# Altium PCB ControllerPCB.PcbDoc (part 1 of 2)
Units mm, origin at the board's own origin, x right, y up, seen from the top; angles counter-clockwise.
Board outline 79.22 x 88.77 mm, 2 copper layers (Top Layer, Bottom Layer); 122 components, 63 nets, 353 pads, 109 vias.
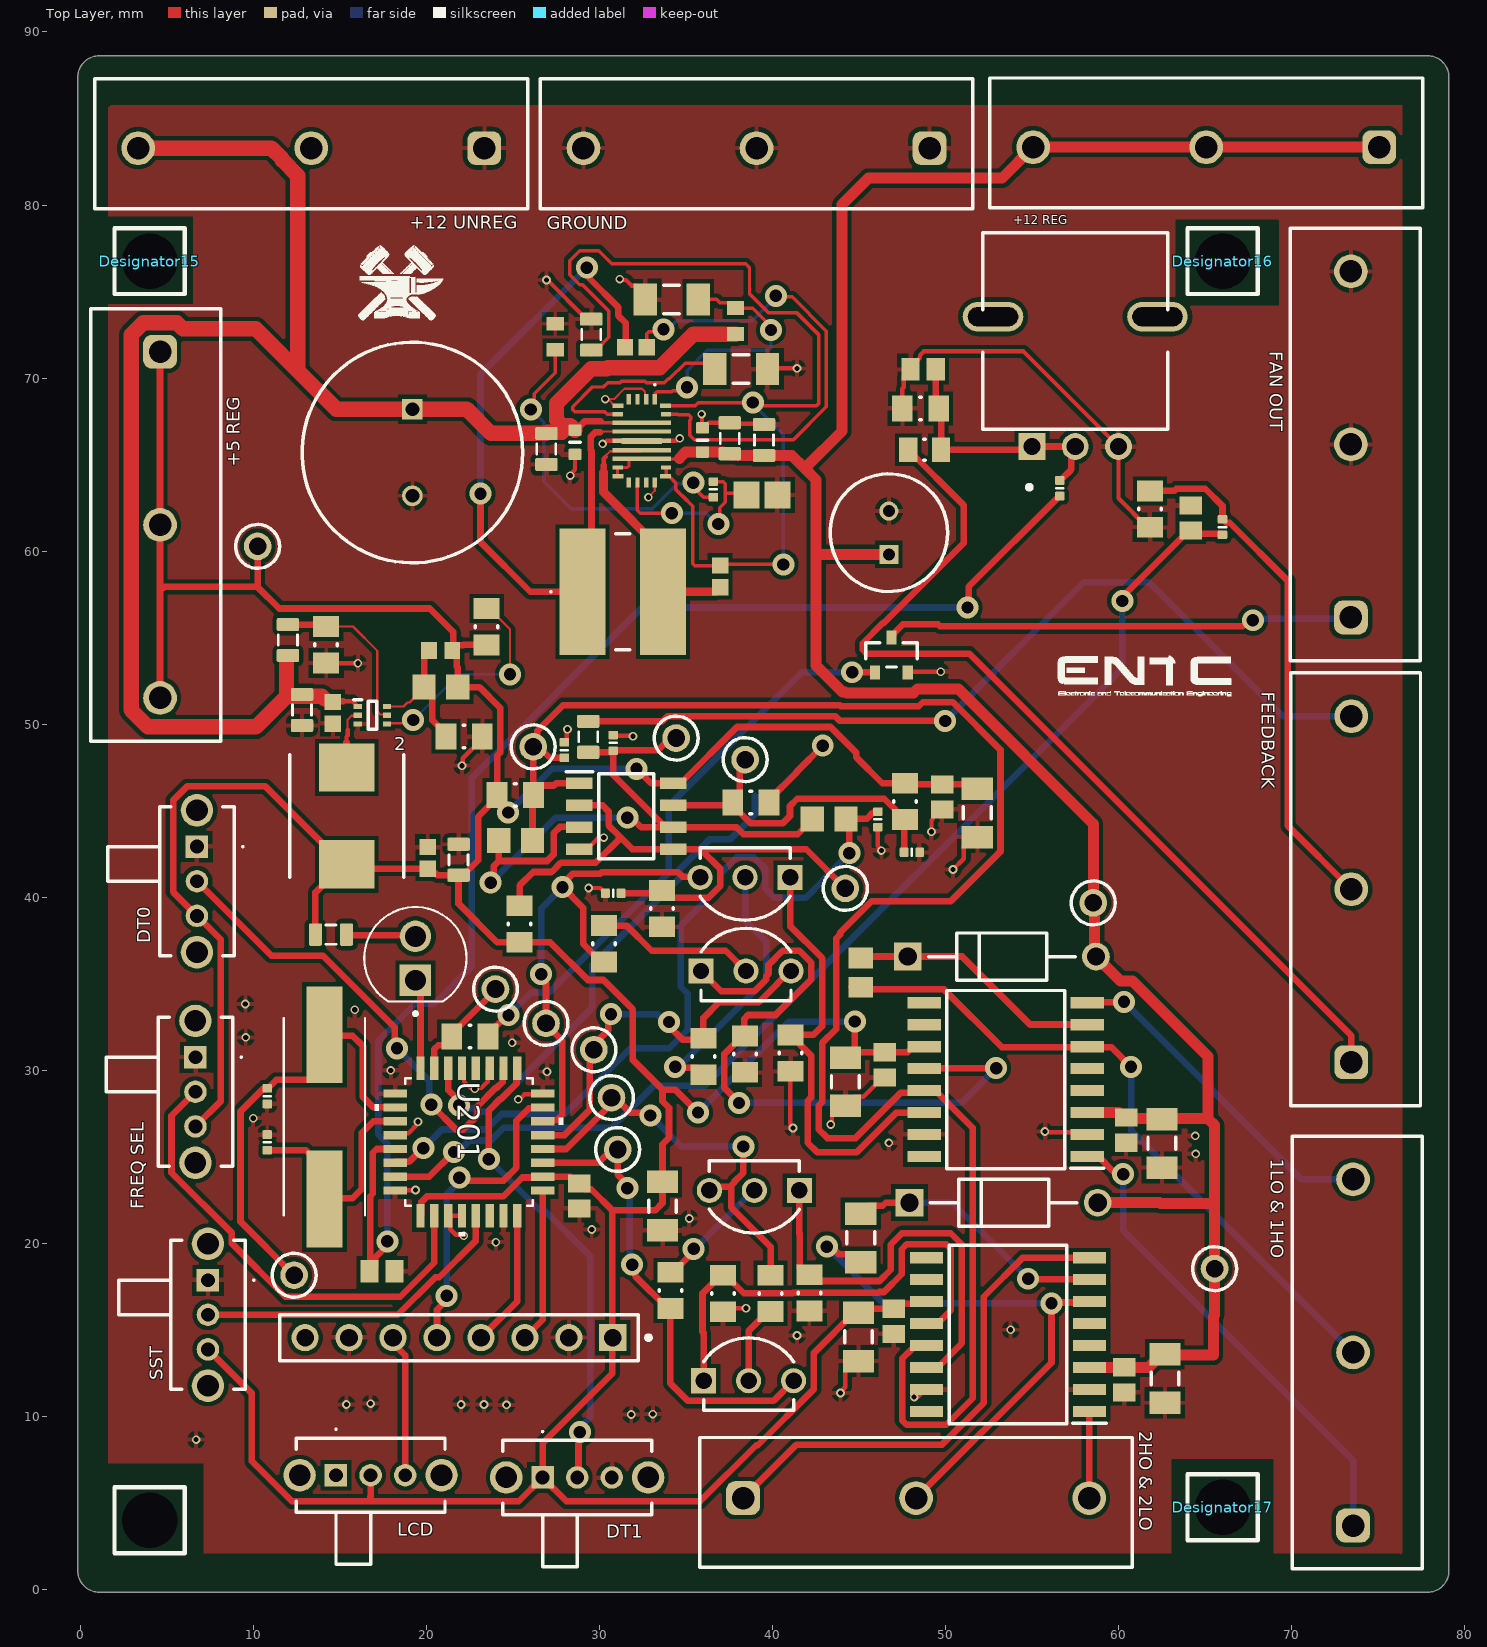
[diagram p0: Top Layer view]
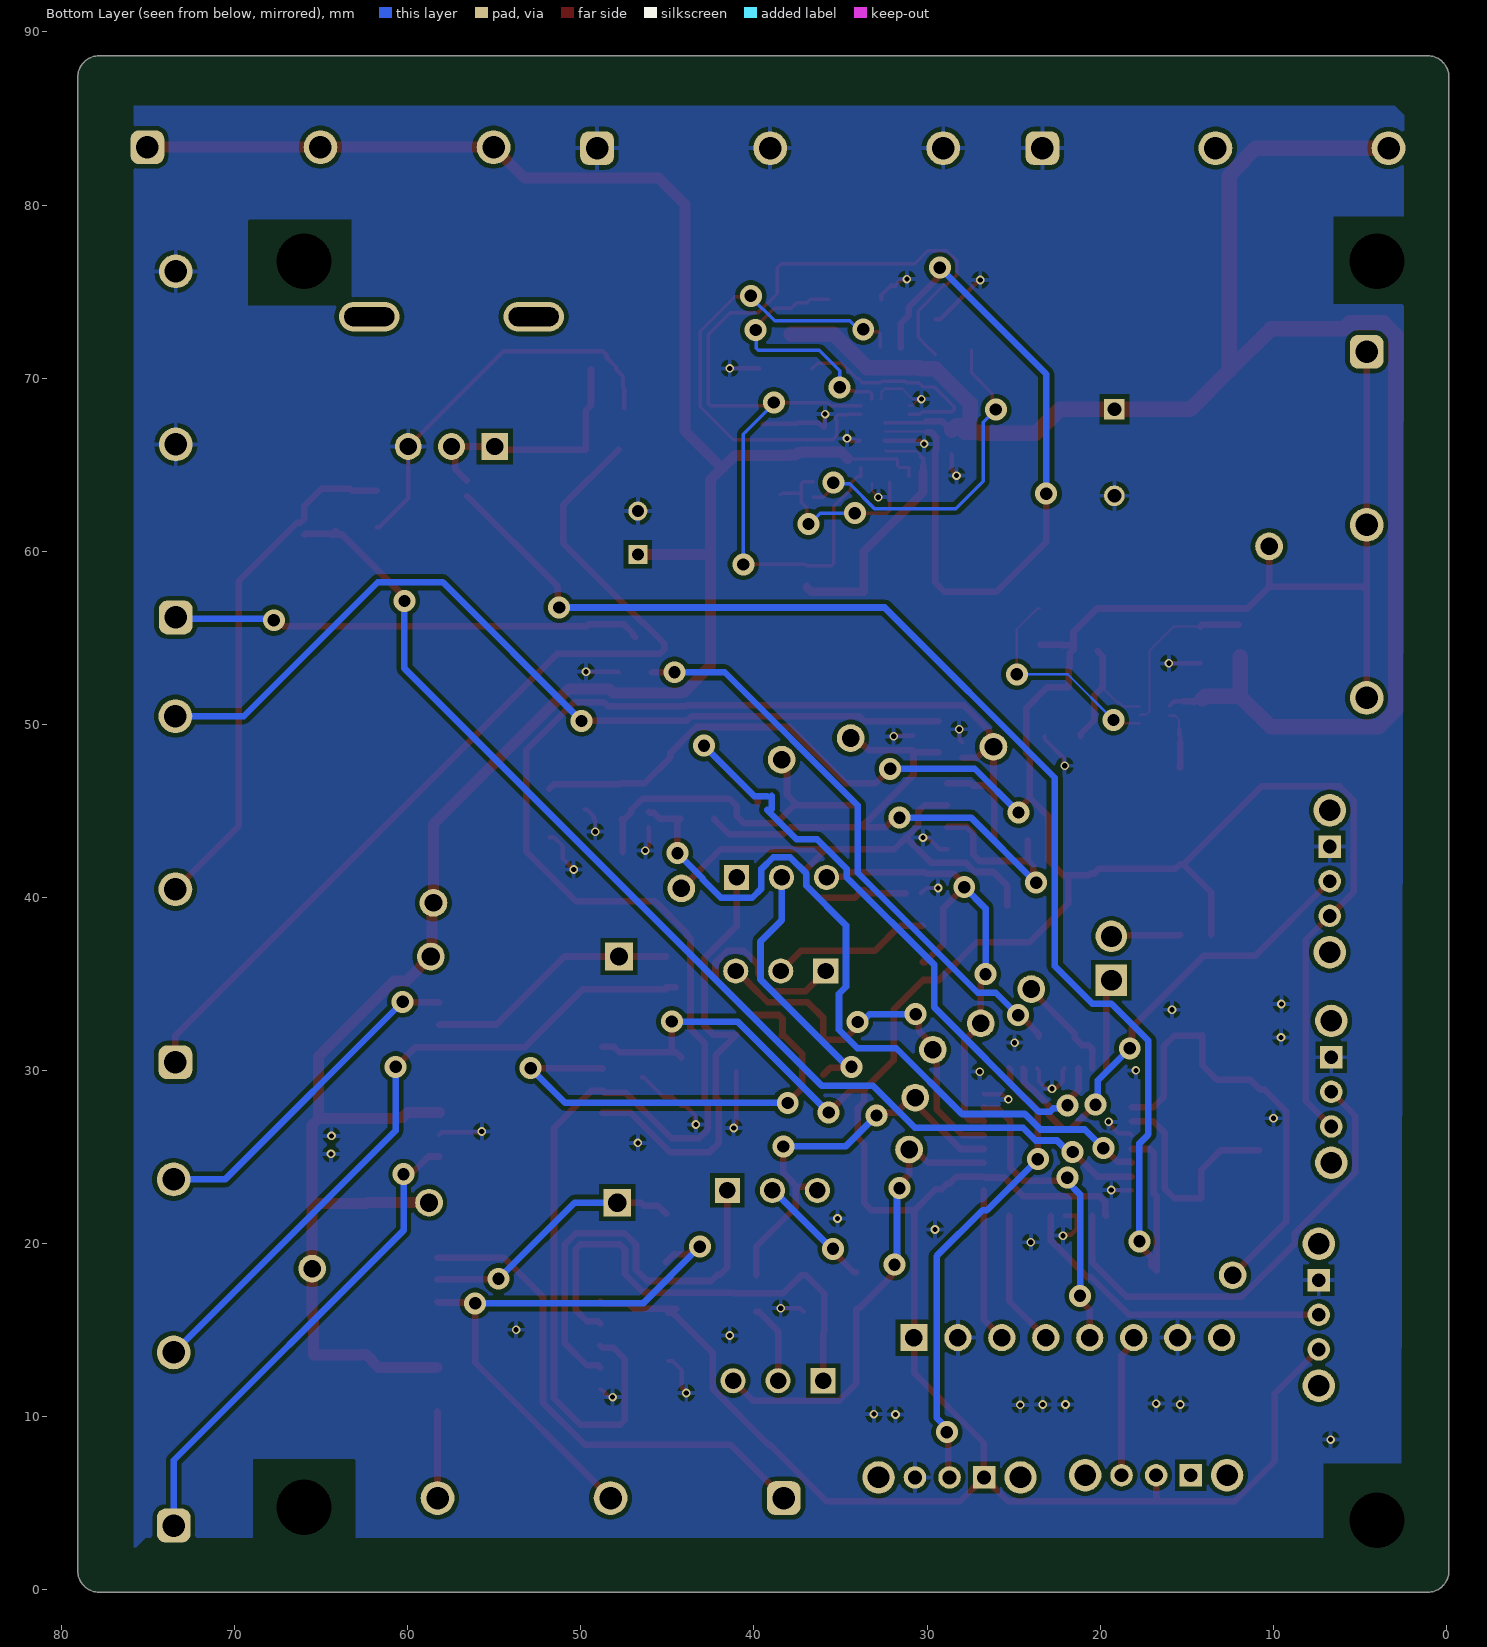
[diagram p1: Bottom Layer view, seen from below]
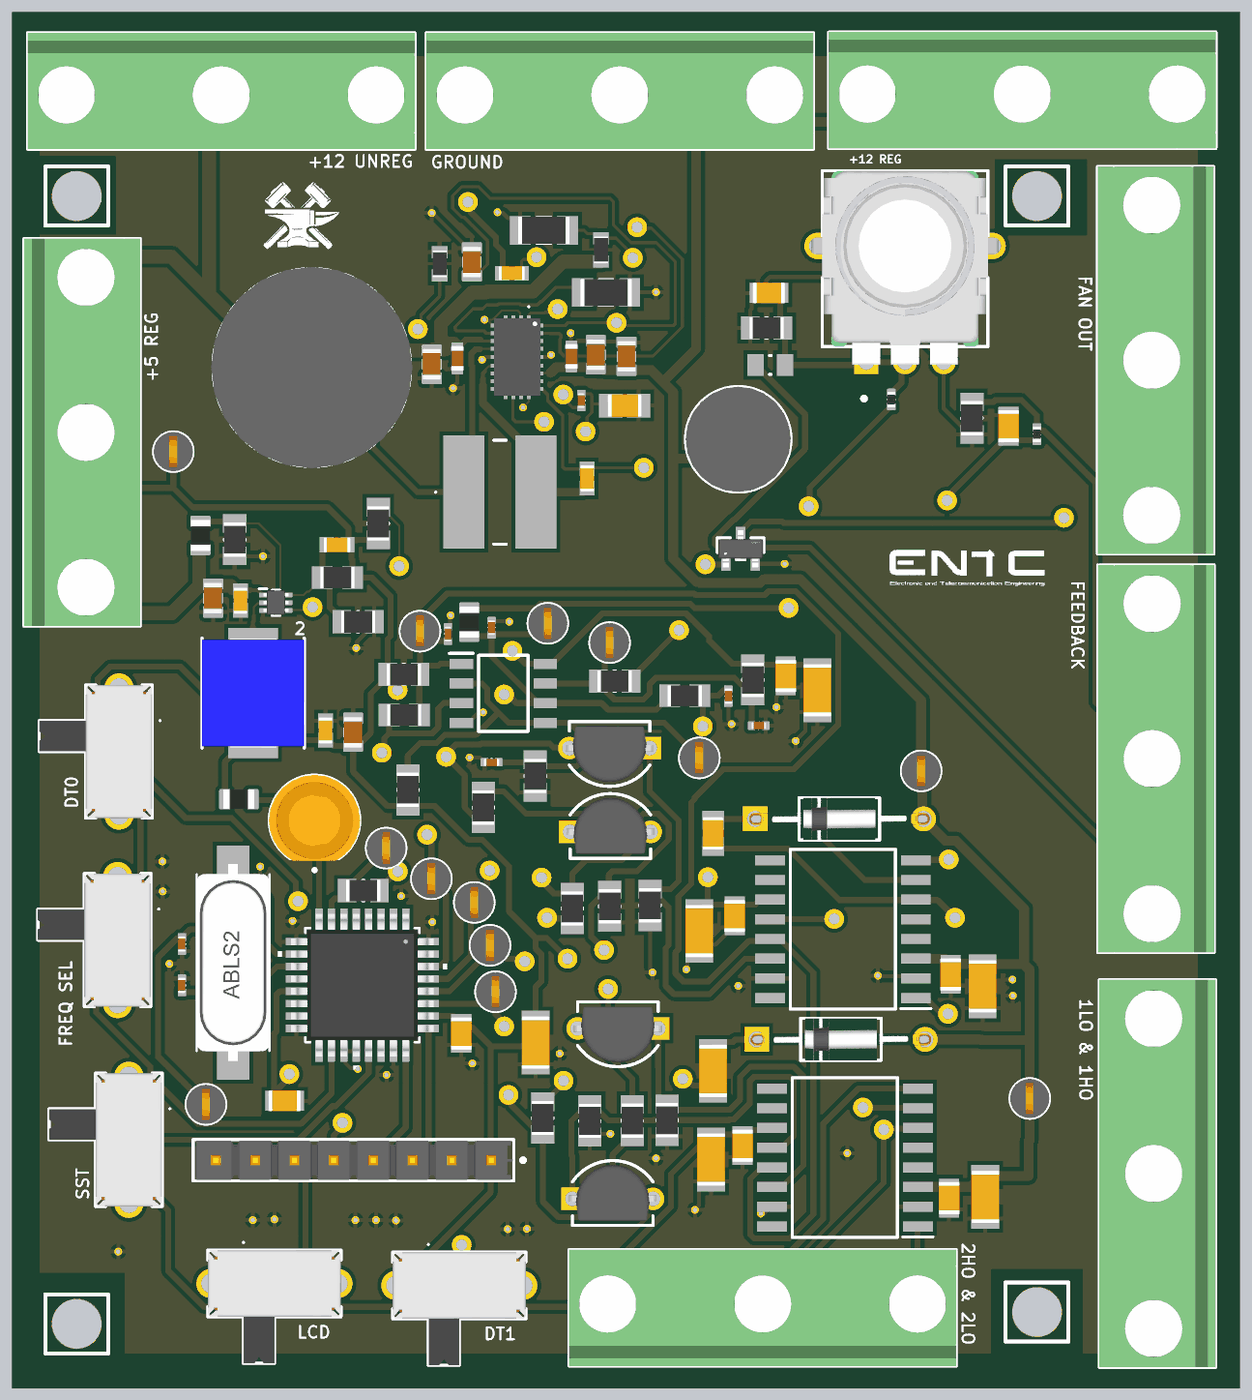
[diagram p3: 3D render of the assembled board from above, using the file's embedded part models]

## Layer stack, top to bottom
Top Solder: solder mask 0.0102, Solder Resist, Dk 3.5
Top Layer: signal copper 0.0356
Dielectric 1: dielectric 0.32, FR-4, Dk 4.8
Bottom Layer: signal copper 0.0356
Bottom Solder: solder mask 0.0102, Solder Resist, Dk 3.5

## Board outline
-0.153,1.067 -0.153,87.401 cw(c1.067,87.401) 1.067,88.621 77.851,88.621 cw(c77.851,87.401) 79.071,87.401 79.071,1.067 cw(c77.851,1.067) 77.851,-0.153 1.067,-0.153 cw(c1.067,1.067)

## Design rules (kind name [scope] priority, off if disabled: settings)
Clearance [All] p1: gap=0.254 ignorepadtopadclearanceinfootprint=FALSE except(0.16: SMDPad-SMDPad)
HoleSize [All] p1: absolutevalues=TRUE maxlimit=6.3 minlimit=0.2 maxpercent=80.000 minpercent=20.000
MinimumSolderMaskSliver [All] p1: minsoldermaskwidth=0.1
PolygonConnect [All] p1: connectstyle=Relief reliefconductorwidth=0.254 reliefentries=4 polygonreliefangle="90 Angle" airgapwidth=0.254
RoutingVias [All] p1: holewidth=0.3 width=0.5 viastyle="Through Hole" minholewidth=2 minwidth=0.3 maxholewidth=0.711 maxwidth=1.27
SilkToSilkClearance [All] p1: silktosilkclearance=0.15
SilkToSolderMaskClearance [IsPad] p1: minsilkscreentomaskgap=0.1 clearancetoexposedcopper=TRUE
SolderMaskExpansion [All] p1: expansion=0 istentingtop=FALSE
SupplyNets "Schematic Supply Nets_3" [InNet('+12')] p1: voltage=0.000
SupplyNets "Schematic Supply Nets_2" [InNet('+5')] p2: voltage=0.000
SupplyNets "Schematic Supply Nets_1" [InNet('+12V_in')] p3: voltage=0.000
SupplyNets "Schematic Supply Nets" [InNet('GND')] p4: voltage=0.000
Width [All] p1: maxlimit=0.889 minlimit=0.127 preferedwidth=0.2 minimp=50.000000 maximp=50.000000 favimp=50.000000
26 further rules are at their usual default settings.

## Classes and differential pairs
net class U_PowerConverters_Nets: +5 +12 +12V_in GND NetC9_1 NetC9_2 NetC10_1 NetC10_2 NetC12_1 NetC12_2 NetC25_1 NetL3_2 NetR7_1 NetR10_2 NetR11_2 NetR12_2 NetU3_3 NetU3_4 NetU3_14 NetU3_16
net class U_EGS002_Nets: 1HO 1LO 2HO 2LO +5 +12 FANCTR GND HIN1 HIN2 IFB IFBOUT LCDCLK LCDDI LCDEN LIN1 LIN2 NetC202_2 NetC204_2 NetC205_2 NetC206_2 NetC215_2 NetC220_1 NetC223_1 NetD200_A NetD200_C NetJ7_1 NetJ9_1 NetJ200_6 NetJ200_8 NetQ200_1 NetQ201_2 NetQ202_2 NetQ203_2 NetQ204_2 NetS200_4 NetS200_5 NetS201_1 NetS201_4 NetS201_5 NetS202_2 NetS202_4 NetS202_5 NetS203_2 NetS203_4 NetS203_5 NetS204_2 NetS204_4 NetS204_5 NetS205_2 NetS205_4 NetS205_5 NetU201_4 NetU201_22 NetU202_4 NetU202_5 NetU202_9 NetU202_10 NetU202_16 NetU203_4 NetU203_5 NetU203_9 NetU203_10 NetU203_16 SD SPWMEN SPWMOUT1 SPWMOUT2 SPWMOUT3 SPWMOUT4 TFB TFBIN VFB VFBIN VS1 VS2
net class Controller_final_Nets: 1HO 1LO 2HO 2LO +5 +12 +12V_in GND IFBOUT NetJ6_2 NetJ7_1 NetJ9_1 TFB VS1 VS2
component class U_PowerConverters: "2HO & 2LO"
component class U_EGS002: "2HO & 2LO"
component class Controller_final: "2HO & 2LO" "+12 REG" "+12 UNREG" "FAN OUT" FEEDBACK GROUND

## Components (designator, comment, footprint, x,y, rotation, side; value= is the part's Value field where it differs from the comment)
"1LO & 1HO" "691137810003" 691137810003 73.783,13.698 r90 top (schematic designator J3)
2 "TPS564257DRLR" SOTFL50P160X60-6N 16.866,50.521 r0 top (schematic designator U4)
"2HO & 2LO" "691137810003" 691137810003 48.285,5.033 r0 top (schematic designator J5)
"+5 REG" "691137810003" 691137810003 4.347,61.519 r270 top (schematic designator J4)
"+12 REG" "691137810003" 691137810003 65.049,83.591 r180 top (schematic designator J8)
"+12 UNREG" "691137810003" 691137810003 13.335,83.537 r180 top (schematic designator J6)
C9 "Capacitor 1nF +/-20% 50V 0402" CAPC0402(1005)33_L 36.576,63.569 r90 top value=1nF
C10 "Capacitor 100 nF +/-10% 50 V 0603" CAPC1608X90X40NL10T20 36.957,58.547 r270 top value=100nF
C11 "Capacitor 1 uF +/- 10% 25 V 0805" CAPC2013X145X50ML20T25 39.381,63.246 r180 top value=1µF
C12 "Capacitor 100 nF +/-10% 50 V 0603" CAPC1608X90X40NL10T20 32.09,71.78 r180 top value=100nF
C13 "Capacitor 4.7µF +/-40% 25V 0805" CAPC0805(2012)145_L 29.515,72.506 r270 top value=4.7µF
C14 "EKXJ251ELL560MK20S" "CAPPRD500W60D1275H2000 - duplicate" 19.177,68.199 r270 top
C15 "Capacitor 22µF +/-40% 16V 0805" CAPC0805(2012)145_L 26.924,65.913 r90 top value=22µF
C16 "Capacitor 1µF +/-40% 50V 0603" CAPC0603(1608)100_L 28.575,66.294 r90 top value=1µF
C17 "35ZLH100MEFC6.3X11" CAPPRD250W50D680H1250 46.711,59.817 r90 top
C18 "Capacitor 22µF +/-40% 16V 0805" CAPC0805(2012)145_L 39.497,66.421 r270 top value=22µF
C19 "Capacitor 22µF +/-40% 16V 0805" CAPC0805(2012)145_L 37.516,66.523 r270 top value=22µF
C20 "Capacitor 1µF +/-40% 50V 0603" CAPC0603(1608)100_L 35.941,66.421 r270 top value=1µF
C21 "Capacitor 22µF +/-40% 16V 0805" CAPC0805(2012)145_L 12.802,50.825 r90 top value=22µF
C22 "Capacitor 100 nF +/-10% 50 V 0603" CAPC1608X90X40NL10T20 14.58,50.658 r90 top value=100nF
C23 "Capacitor 22µF +/-40% 16V 0805" CAPC0805(2012)145_L 21.844,42.165 r270 top value=22µF
C24 "Capacitor 100 nF +/-10% 50 V 0603" CAPC1608X90X40NL10T20 20.066,42.281 r270 top value=100nF
C25 "Capacitor 10 pF +/- 0.25 pF 50 V 0603" CAPC1608X87X35NL15T15 20.813,54.254 r0 top value=10pF
C200 "Capacitor 10nF +/-20% 50V 0402" CAPC0402(1005)60_L 46.076,44.501 r90 top value=10nF
C201 "Capacitor 1nF +/-20% 50V 0402" CAPC0402(1005)33_L 27.965,48.507 r90 top value=1nF
C202 "Capacitor 1nF +/-20% 50V 0402" CAPC0402(1005)33_L 48.039,42.596 r180 top value=1nF
C203 "Capacitor 100 nF +/-10% 50 V 0805" CAPC2013X95X50LL10T25 64.16,61.914 r270 top value=100nF
C204 "Capacitor 10nF +/-20% 50V 0402" CAPC0402(1005)60_L 30.785,40.234 r0 top value=10nF
C205 "Capacitor 10 uF +/- 10% 16 V 0805" CAPC2013X135X45NL10T25 45.085,35.648 r90 top value=10µF
C206 "Capacitor 10 uF +/- 10% 16 V 1206" CAPC3216X180X50NL20T25 45.085,20.32 r90 top value=10µF
C207 "Capacitor 100 nF +/-10% 50 V 0805" CAPC2013X95X50LL10T25 46.482,30.316 r90 top value=100nF
C208 "Capacitor 10 uF +/- 10% 16 V 1206" CAPC3216X180X50NL20T25 44.196,29.34 r90 top value=10µF
C209 "Capacitor 100 nF +/-10% 50 V 0805" CAPC2013X95X50LL10T25 46.99,15.494 r90 top value=100nF
C210 "Capacitor 10 uF +/- 10% 16 V 1206" CAPC3216X180X50NL20T25 44.958,14.602 r90 top value=10µF
C211 "Capacitor 100 nF +/-10% 50 V 0805" CAPC2013X95X50LL10T25 60.427,26.543 r90 top value=100nF
C212 "Capacitor 10 uF +/- 10% 16 V 1206" CAPC3216X180X50NL20T25 62.484,25.778 r90 top value=10µF
C213 "Capacitor 100 nF +/-10% 50 V 0805" CAPC2013X95X50LL10T25 60.325,12.116 r90 top value=100nF
C214 "Capacitor 10 uF +/- 10% 16 V 1206" CAPC3216X180X50NL20T25 62.662,12.192 r90 top value=10µF
C215 "Capacitor 1nF +/-20% 50V 0402" CAPC0402(1005)33_L 30.785,48.92 r270 top value=1nF
C216 "Capacitor 10 uF +/- 10% 16 V 1206" CAPC3216X180X50NL20T25 51.816,44.879 r90 top value=10µF
C217 "Capacitor 100 nF +/-10% 50 V 0805" CAPC2013X95X50LL10T25 49.784,45.796 r90 top value=100nF
C218 "Capacitor 100 nF +/-10% 50 V 0805" CAPC2013X95X50LL10T25 17.424,18.39 r180 top value=100nF
C219 "Capacitor 100 nF +/-10% 50 V 0805" CAPC2013X95X50LL10T25 48.692,70.51 r0 top value=100nF
C220 "Capacitor 22pF +/-10% 50V 0402" CAPC0402(1005)60_L 10.795,28.506 r270 top value=22pF
C221 "Capacitor 10 uF +/- 10% 16 V 1206" CAPC3216X180X50NL20T25 33.63,22.149 r90 top value=10µF
C222 "Capacitor 100 nF +/-10% 50 V 0805" CAPC2013X95X50LL10T25 28.829,22.733 r90 top value=100nF
C223 "Capacitor 22pF +/-10% 50V 0402" CAPC0402(1005)60_L 10.795,25.839 r90 top value=22pF
D200 "L08R5000Q1" LEDRD254W57D500H1070 19.355,36.474 r90 top
D201 "UF4007" FP-017AH-MFG 53.238,36.576 r0 top value=17pF
D202 "UF4007" FP-017AH-MFG 53.34,22.352 r0 top value=17pF
Designator15 "Comment" MTHNP3P2MM 4,76.762 r0 top locked
Designator16 "Comment" MTHNP3P2MM 66,76.762 r0 top locked
Designator17 "Comment" MTHNP3P2MM 66,4.762 r0 top
DT0 "SK12D07VG3NS" SK12D07VG3NS 6.731,42.926 r270 top (schematic designator S203)
DT1 "SK12D07VG3NS" SK12D07VG3NS 26.702,6.477 r0 top (schematic designator S202)
"FAN OUT" "691137810003" 691137810003 73.66,66.167 r90 top (schematic designator J7)
FEEDBACK "691137810003" 691137810003 73.681,40.462 r90 top (schematic designator J9)
"FREQ SEL" "SK12D07VG3NS" SK12D07VG3NS 6.642,30.759 r270 top (schematic designator S204)
GROUND "691137810003" 691137810003 39.065,83.537 r180 top (schematic designator J10)
J200 "TSW-108-08-G-S" FP-TSW-108-08-G-S-MFG 21.869,14.554 r180 top
J201 "Comparator VCC" 5000 10.236,60.274 r90 top
J202 "Comparator Output 1" 5000 26.162,48.692 r90 top
J203 "Comparator Output 2" 5000 38.405,47.955 r90 top
J204 "INPUT 1" 5000 44.196,40.513 r90 top
J205 "FAN CONTROL" 5000 23.978,34.696 r90 top
J206 "INPUT 2" 5000 34.417,49.2 r90 top
J207 "SPWMOUT4" 5000 26.899,32.715 r90 top
J208 "SPWMOUT3" 5000 29.667,31.191 r90 top
J209 "SPWMOUT2" 5000 30.683,28.423 r90 top
J210 "OSCILLATOR" 5000 12.344,18.161 r90 top
J211 "SPWMOUT1" 5000 31.039,25.425 r90 top
J212 "Half Bridge VCC" 5000 58.522,39.675 r90 top
J213 "Half Bridge VCC" 5000 65.532,18.542 r90 top
L2 "CDRH6D38T125NP-3R9NC" CDRH6D18HPNP101PC 31.33,57.658 r90 top
L3 "SLO0630H4R7MTT" INDPM7166X300N 15.392,44.698 r90 top
LCD "SK12D07VG3NS" SK12D07VG3NS 14.764,6.604 r0 top (schematic designator S201)
Q200 "SS8050-G" FP-SS8050-G-MFG 46.863,54.006 r90 top
Q201 "BC557BTF" FP-135AR-MFG 38.405,40.767 r270 top
Q202 "BC557BTF" FP-135AR-MFG 38.456,36.119 r90 top
Q203 "BC557BTF" FP-135AR-MFG 38.938,22.682 r270 top
Q204 "BC557BTF" FP-135AR-MFG 38.608,12.446 r90 top
R7 "Resistor 100k +/-1% 1206 250 mW" RESC3216X60X45ML15T20 34.163,74.549 r180 top value=100k
R8 "Resistor 100k +/-1% 0603 100 mW" RESC1608X55X25ML10T15 37.846,73.291 r90 top value=100k
R9 "Resistor 100k +/-1% 0603 100 mW" RESC1608X55X25ML10T15 27.432,72.39 r270 top value=100k
R10 "Resistor 100k +/-1% 1206 250 mW" RESC3216X60X45ML15T20 38.176,70.536 r180 top value=100k
R11 "210 kOhms 0805" RESC0805(2012)_L 11.989,54.864 r90 top value=1k
R12 "Resistor 10k +/-1% 0805 125 mW" RESC2013X50X35ML15T15 23.47,55.635 r90 top value=10k
R13 "Resistor 125mW 220kΩ 0805" RESC2013X70X40ML20T20 20.828,52.146 r0 top value=100k
R14 "Resistor 30k +/-1% 0805 125 mW" RESC2013X50X35ML15T15 14.199,54.593 r90 top value=10k
R15 "Resistor 30k +/-1% 0805 125 mW" RESC2013X50X35ML15T15 22.166,49.301 r180 top value=10k
R200 "Resistor 1K +/-5% 0805 125 mW" RESC0805(2012)_L 29.337,49.276 r90 top value=1k
R201 "Resistor 100k +/-1% 0805 125 mW" RESC2013X70X40ML20T20 43.256,44.526 r180 top value=100k
R202 "Resistor 10k +/-1% 0805 125 mW" RESC2013X50X35ML15T15 47.65,45.542 r90 top value=10k
R203 "Resistor 100k +/-1% 0805 125 mW" RESC2013X70X40ML20T20 25.146,43.282 r0 top value=100k
R204 "Resistor 10k +/-1% 0805 125 mW" RESC2013X50X35ML15T15 25.121,45.898 r180 top value=10k
R205 "Resistor 1.5k +/-1% 0805 125 mW" RESC2013X50X35ML15T15 38.735,45.466 r180 top value=10k
R206 "Resistor 10k +/-1% 0805 125 mW" RESC2013X50X35ML15T15 25.375,38.456 r270 top value=10k
R207 "Resistor 1.5k +/-1% 0805 125 mW" RESC2013X50X35ML15T15 22.504,31.953 r180 top value=10k
R208 "Resistor 100R +/-1 % 0402 63 mW" RESC0402(1005)_L 65.989,61.392 r90 top value=100
R209 "Resistor 1.5k +/-1% 0805 125 mW" RESC2013X50X35ML15T15 33.604,39.345 r90 top value=10k
R210 "Resistor 100R +/-1 % 0402 63 mW" RESC0402(1005)_L 56.591,63.634 r270 top value=100
R211 "Resistor 10k +/-1% 0805 125 mW" RESC2013X50X35ML15T15 61.798,62.433 r90 top value=10k
R212 "200K 1% 0805(2012)" RESC0805(2012)_N 48.778,65.862 r180 top value="200000.00 Ohm"
R213 "Resistor 10k +/-1% 0805 125 mW" RESC2013X50X35ML15T15 48.539,68.25 r0 top value=10k
R214 "Resistor 5.1k +/-1% 0805 125 mW" RESC2013X50X35ML15T15 41.021,30.997 r90 top value=10k
R215 "Resistor 5.1k +/-1% 0805 125 mW" RESC2013X50X35ML15T15 35.992,30.802 r270 top value=10k
R216 "Resistor 5.1k +/-1% 0805 125 mW" RESC2013X50X35ML15T15 38.405,30.937 r90 top value=10k
R217 "Resistor 5.1k +/-1% 0805 125 mW" RESC2013X50X35ML15T15 30.251,37.313 r90 top value=10k
R218 "Resistor 1K +/-5% 0805 125 mW" RESC0805(2012)_L 14.467,37.846 r180 top value=1k
R219 "Resistor 5.1k +/-1% 0805 125 mW" RESC2013X50X35ML15T15 42.113,17.136 r90 top value=10k
R220 "Resistor 5.1k +/-1% 0805 125 mW" RESC2013X50X35ML15T15 34.087,17.281 r90 top value=10k
R221 "Resistor 5.1k +/-1% 0805 125 mW" RESC2013X50X35ML15T15 37.135,17.103 r90 top value=10k
R222 "Resistor 5.1k +/-1% 0805 125 mW" RESC2013X50X35ML15T15 39.878,17.111 r270 top value=10k
S200 "RK09L1140A2U" FP-RK09L1140A2U-MFG 57.48,72.72 r0 top value=10kΩ